# Altium PCB Pleiades_PP.PcbDoc (part 4 of 15) (continued)
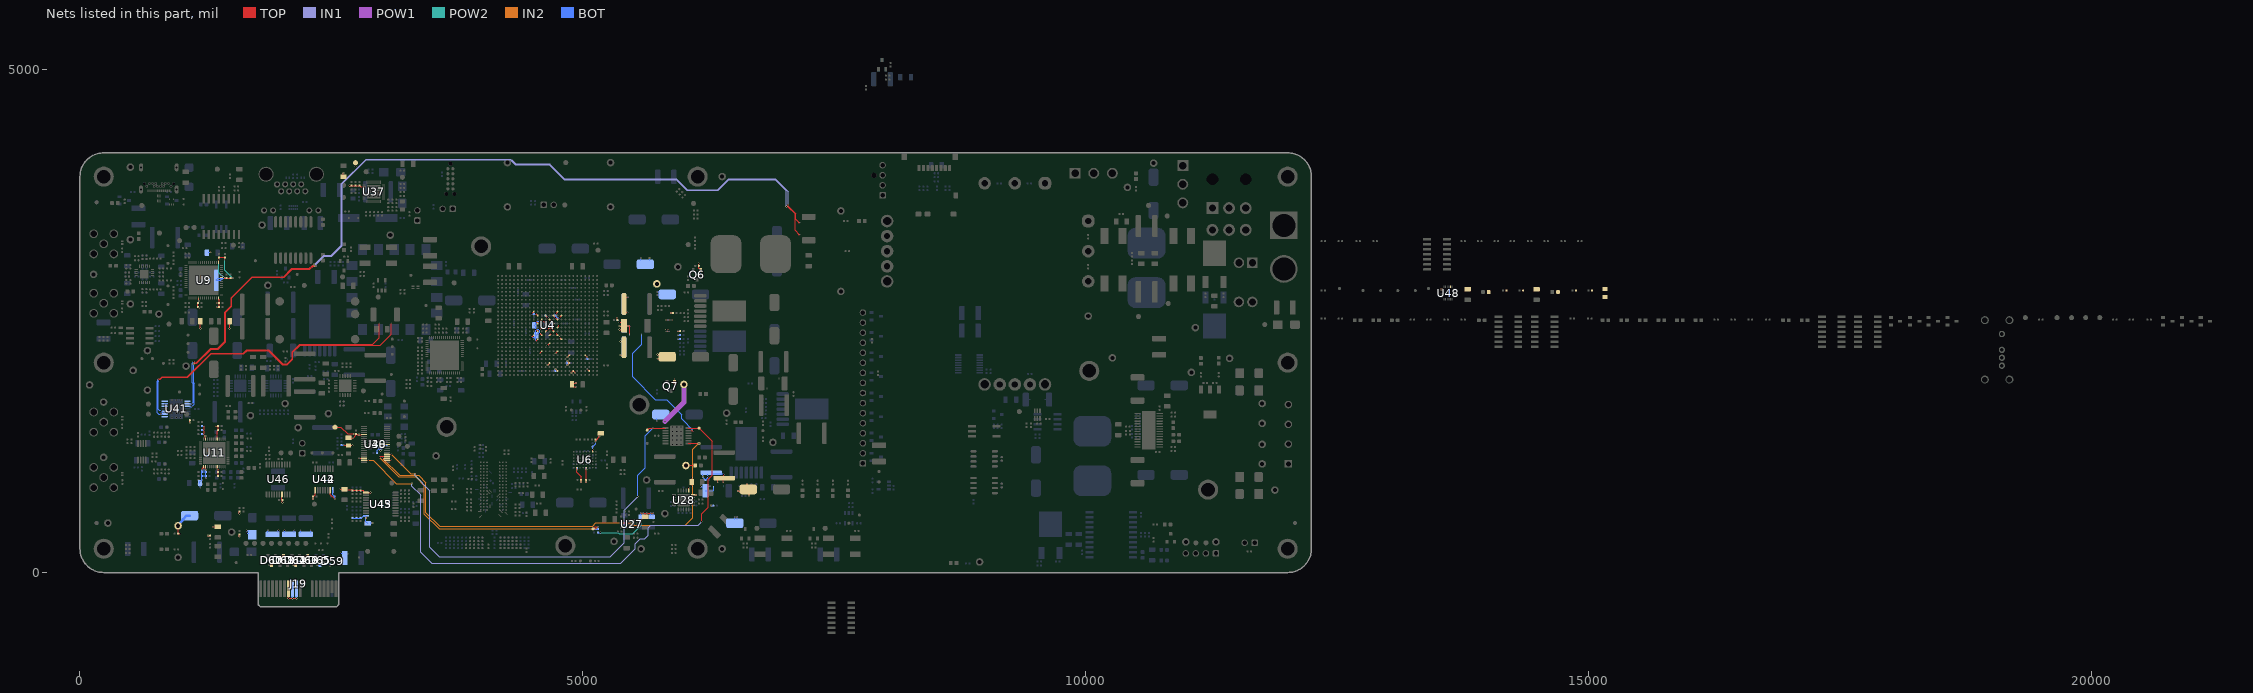
[diagram p14: the nets of this part, all layers, seen from the top]
## Part data (continued)
U1: library part IC_MT41K512M16HA-125, "DRAM 8G 1.35V 512Mx16 800 MHz DDR3 0C-90C", Maximum Clock Frequency=800MHz, Mfr="Alliance Memory", Operating Temperature="0C - 95C", Package / Case=FBGA-96, Supplier Part Number 1=913-41K512M16HA125A, Supply Current (Max)=88mA, Supply Voltage (Max)=1.45V, Supply Voltage (Min)=1.283V, ComponentLink1Description=Digikey, ComponentLink1URL=https://www.digikey.ca/en/products/detail/alliance-memory-inc/MT41K512M16HA-125:A/10821776, ComponentLink2Description=Datasheet, ComponentLink2URL=https://media.digikey.com/pdf/Data%20Sheets/Micron%20Technology%20Inc%20PDFs/MT41K_2G4,1G8,512M16_8Gb_DDR3L.pdf, Data Bus Width="16 bits", Digikey #=1450-MT41K512M16HA-125:A-ND, Memory Organization="512M x 16", Memory Size=8Gb, Supplier 1=Mouser, Type="SDRAM - DDR3L"
U2: "Real Time Clock (RTC) IC Clock/Calendar 64B I2C, 2-Wire Serial 8-SOIC (0.154\", 3.90mm Width)", Mfr=Microchip, Operating Temperature="-40C - 125C", Voltage - Battery="1.3V - 5.5V", Voltage - Suply="1.8V - 5.5V", Clock Speed=32.768kHz, ComponentLink1Description=Digikey, ComponentLink1URL=https://www.digikey.ca/en/products/detail/microchip-technology/MCP7940N-E-SN/3872278, ComponentLink2Description=Datasheet, ComponentLink2URL=https://ww1.microchip.com/downloads/aemDocuments/documents/MPD/ProductDocuments/DataSheets/MCP7940N-Battery-Backed-I2C-RTCC-with-SRAM-20005010J.pdf, ComponentLink3Description=Mfr, ComponentLink3URL=https://www.microchip.com/en-us/product/MCP7940N, ComponentLink4Description=Octopart, ComponentLink4URL=https://octopart.com/mcp7940n-e%2Fsn-microchip-24995176?r=sp, Qualification=AEC-Q100
U3: "WATCHDOG CIRCUIT / IC SUPERVISOR 1 CHANNEL SOT23-5", Mfr=ST, Supplier Part Number 1=511-STWD100PYW83F, ComponentLink1Description=Digikey, ComponentLink1URL=https://www.digikey.ca/en/products/detail/stmicroelectronics/STWD100PYW83F/3711383, ComponentLink2Description=Datasheet, ComponentLink2URL=https://www.st.com/content/ccc/resource/technical/document/datasheet/06/6a/b3/83/9a/c7/4f/22/CD00176077.pdf/files/CD00176077.pdf/jcr:content/translations/en.CD00176077.pdf, Qualification=AEC-Q100, Reset Timeout=1.6s, Supplier 1=Mouser
U4: library part FPGA_XC6SLX100-3FGG676C, "FPGA - XILINX SPARTAN 6 480 I/O - BGA-676", Package=BGA-676, Supplier Part Number 1=122-1760-ND, Temperature="0°C ~ 85°C (TJ)", Voltage="1.14 V ~ 1.26 V", CreatedBy="Jonathan Bouchard", HelpURL=https://www.xilinx.com/support/documentation/data_sheets/ds162.pdf, Mfg=Xilinx, Mfg Part Number=XC6SLX100-3FGG676C, Supplier 1=Digikey
U5: library part TIM_CDCE62005RGZT, "TIM - CLK SYNTH JITTER CLEANER 3:5 - QFN-48", Package=QFN-48, Supplier Part Number 1=296-23947-1-ND, Temperature="-40°C ~ 85°C", Voltage="3 V ~ 3.6 V", CreatedBy="Jonathan Bouchard", HelpURL=http://www.ti.com/lit/ds/symlink/cdce62005.pdf, Mfg="Texas Instruments", Mfg Part Number=CDCE62005RGZT, Supplier 1=Digikey
U6: "IC PROM SRL/PAR 1.8V 32M 48CSBGA", Mfr=Xilinx, Operating Temperature="-40C - 85C", Voltage - Suply="1.65V - 2V", ComponentLink1Description=Digikey, ComponentLink1URL=https://www.digikey.ca/en/products/detail/amd/XCF32PFSG48C/966638, ComponentLink2Description=Octopart, ComponentLink2URL=https://octopart.com/xcf32pfsg48c-xilinx-429660, Memory Size=32Mb, Part#=XCF32PFSG48C
U7: library part IRE-24/5-Q12P-C, "Isolated DC/DC Converters - Through Hole 9V-36VIN 24VOUT 120W", Current - Output=10A, Isolation Voltage=2.828kV, Mfr=Murata, Operating Temperature="-40C - 85C", Output Power=120W, Supplier Part Number 1=811-IRE-12/10-Q12P-C-ND, Switching Frequency=240kHz, Voltage - Input (Max)=36V, Voltage - Input (Min)=9V, Voltage - Output=12V, ComponentLink1Description=Mouser, ComponentLink1URL=https://www.mouser.ca/ProductDetail/Murata-Power-Solutions/IRE-12-10-Q12NF-C?qs=xZ%2FP%252Ba9zWqYdIxrb6V0e3g%3D%3D, ComponentLink2Description=Murata, ComponentLink2URL=https://www.murata.com/en-us/products/productdetail?partno=IRE-12%2F10-Q12P-C, ComponentLink3Description=Datasheet, ComponentLink3URL=https://www.murata.com/products/productdata/8807029112862/ire-q12.pdf?1655388012000, ComponentLink4Description=Octopart, ComponentLink4URL=https://octopart.com/ire-12%2F10-q12nf-c-murata+power+solutions-107236518?r=sp, ComponentLink5Description=Digikey, ComponentLink5URL=https://www.digikey.ca/en/products/detail/murata-power-solutions-inc/IRE-12-10-Q12P-C/11503740, Supplier 1=Digikey
U8: Supplier Part Number 1=863-NCV2931ADT5.0RKG, ComponentLink1Description=Digikey, ComponentLink1URL=https://www.digikey.com/en/products/detail/onsemi/NCV2931ADT5-0RKG/1961138, Supplier 1=Mouser
U9: library part ADC_ADS62P48IRGCT, "ADC - 14 BIT 210MSPS SUAL - VQFN-64", Package=VQFN-64, Supplier Part Number 1=296-24611-1-ND, Temperature="-40°C ~ 85°C", Voltage="3.15 V ~ 3.6 V / 1.7 V ~ 1.9 V", CreatedBy="Jonathan Bouchard", HelpURL=http://www.ti.com/lit/ds/symlink/ads62p48.pdf, Mfg="Texas Instruments", Mfg Part Number=ADS62P48IRGCT, Precision="14 Bit", Supplier 1=Digikey
U10: library part OPAMP_ADA4927-2YCPZ-R2, "OPAMP - CFA 2.3GHZ - QFN-24", Current=65mA, Package=QFN-24, Supplier Part Number 1=ADA4927-2YCPZ-R2CT-ND, Temperature="-40°C ~ 105°C", Voltage="4.5 V ~ 11 V, ±2.25 V ~ 5.5 V", CreatedBy="Jonathan Bouchard", HelpURL=http://www.analog.com/media/en/technical-documentation/data-sheets/ADA4927-1_4927-2.pdf, Mfg="Analog Devices", Mfg Part Number=ADA4927-2YCPZ-R2, Supplier 1=Digikey
U11: library part DAC_AD9146BCPZ, "DAC - 16BIT SRL HIGH SPEED - QFN-48", Package=QFN-48, Supplier Part Number 1=AD9146BCPZ-ND, Temperature="-40°C ~ 85°C", Voltage="3.13 V ~ 3.47 V / 1.71 V ~ 1.89 V", CreatedBy="Jonathan Bouchard", HelpURL=http://www.analog.com/media/en/technical-documentation/data-sheets/AD9146.PDF, Mfg="Analog Devices Inc.", Mfg Part Number=AD9146BCPZ, Precision="16 Bit", Supplier 1=Digikey
U12: library part OPAMP_AD8056ARMZ, "OPAMP - VFB 300MHZ - 8MSOP", Current=60mA, Package=MSOP-8, Supplier Part Number 1=AD8056ARMZ-REEL7CT-ND, Temperature="-40°C ~ 125°C", Voltage="8 V ~ 12 V, ±4 V ~ 6 V", CreatedBy="Jonathan Bouchard", HelpURL=http://www.analog.com/media/en/technical-documentation/data-sheets/AD8055_8056.pdf, Mfg="Analog Devices", Mfg Part Number=AD8056ARMZ, Supplier 1=Digikey
U13 U15 U16 U17: library part ISO_SI8620EB-B-IS, "ISO - Dual-Channel Digital Isolator (default HI) - 8-SOIC", Manufacturer #1="Silicon Labs", Package=8-SOIC, Supplier Part Number 1=SI8620EB-B-IS-ND, Temperature="-40°C ~ 125°C", Voltage Rating=2.5-5.5V, Assembly Type=SMD, CreatedBy/Date="Joel Lemay 2018-06-05", Cryo=UNKNOWN, GRAMS Lib Spec=2.8, HelpURL=https://www.silabs.com/documents/public/data-sheets/si861x-2x-datasheet.pdf, Magnetic Material=Unknown, Part Number #1=SI8620EB-B-IS, Polarized=Yes, Supplier 1=Digi-Key, VerifiedBy="Caroline Paulin - 12 sept 2018"
U14: library part POW_MOTOR_DRV8811PWPR, "POW - STEPPER MOTOR DRIVER - SOP-28", Package=SOP-28, Supplier Part Number 1=296-24591-1-ND, Temperature="-40°C ~ 150°C (TJ)", Voltage="3 V ~ 5.5 V / 8 V ~ 38 V", CreatedBy="Jonathan Bouchard", HelpURL=http://www.ti.com/lit/ds/symlink/drv8811.pdf, Mfg="Texas Instrument", Mfg Part Number=DRV8811PWPR, Supplier 1=Digikey
U18: "1/1 Transceiver, Isolated CANbus 20-SOIC", Mfr="Analog Devices", Operating Temperature="-40C - 105C", Supplier Part Number 1=584-ADM3057EBRWZ, Voltage - Supply="0.5V - 6V", ComponentLink1Description=Digikey, ComponentLink1URL=https://www.digikey.ca/en/products/detail/analog-devices-inc/ADM3057EBRWZ/9806175, ComponentLink2Description=Datasheet, ComponentLink2URL=https://www.analog.com/media/en/technical-documentation/data-sheets/ADM3055E-3057E.pdf, ComponentLink3Description="Analog Devices", ComponentLink3URL=https://www.analog.com/en/products/adm3057e.html, ComponentLink4Description=Octopart, ComponentLink4URL=https://octopart.com/adm3057ebrwz-analog+devices-96773388?r=sp, Data Rate=12Mbps, Isolation=5kV, Mode="Full Duplex", Number of Drivers=1/1, Protocol=CAN, Supplier 1=Mouser
U19 U20 U52 U53 U54 U55: library part 74LVC125AD,118, "Buffer, Non-Inverting 4 Element 1 Bit per Element 3-State Output 14-SO", Mfr=Nexperia, Operating Temperature="-40C - 125C", Voltage - Supply="1.2V - 3.6V", ComponentLink1Description=Digikey, ComponentLink1URL=https://www.digikey.ca/en/products/detail/nexperia-usa-inc/74LVC125AD-118/946677, ComponentLink2Description=Datasheet, ComponentLink2URL=https://assets.nexperia.com/documents/data-sheet/74LVC125A.pdf, ComponentLink3Description=Mfr, ComponentLink3URL=https://www.nexperia.com/products/analog-logic-ics/logic/buffers-inverters-transceivers/buffers/74LVC125AD.html, ComponentLink4Description=Octopart, ComponentLink4URL=https://octopart.com/74lvc125ad%2C118-nexperia-78737785?r=sp, Number of Elements=4, Output Type=3-state
U21 U26 U29 U30 U31: library part REG_SWR_LMZ23605TZE/NOPB, "REG - IC BUCK SYNC 36V 5A - TO-PMOD-7", Current Rating=5A, Manufacturer #1="Texas Instruments", Package=TO-PMOD-7, Supplier Part Number 1=296-35357-1-ND, Temperature="-40°C ~ 125°C", Voltage Rating="6 ~ 36 V", Assembly Type=SMD, CreatedBy/Date="Arnaud Samson - 05/07/18", Cryo=UNKNOWN, GRAMS Lib Spec=2.8, HelpURL=http://www.ti.com/lit/ds/symlink/lmz23605.pdf, Magnetic Material=YES, Note="One Reflow", Part Number #1=LMZ23605TZE/NOPB, Polarized=YES, Supplier 1=Digi-Key, VerifiedBy="Jonathan Bouchard 2018-07-13"
U22 U23 U28: library part REG_LDO_TPS7A4701RGWR, "REG - LINEAR POS ADJ 1A - 20VQFN", Current Rating=1A, Manufacturer #1="Texas Instruments", Manufacturer #2=TBD, Package="20-VQFN Exposed Pad", Supplier Part Number 1=296-37224-1-ND, Temperature="-40°C ~ 125°C", Tolerance=-, Voltage Rating="35V max", Assembly Type=SMD, CreatedBy/Date="L-P Gauthier / 2018-05-29", Cryo=UNKNOWN, GRAMS Lib Spec=2.8, HelpURL=http://www.ti.com/lit/ds/symlink/tps7a47.pdf, Magnetic Material=Unknown, Part Number #1=TPS7A4701RGWR, Part Number #2=TBD, Polarized=Yes, Supplier 1=Digi-Key, VerifiedBy="Caroline Paulin - 28 sept 2018"
U24: library part REG_SWR_PTN04050AAZT, "REG - SWR -15 ~ -3.3V 1A 6W - 5-SMD", Current Rating=1A, Manufacturer #1="Texas Instruments", Package=5-SMD, Power Max=6W, Supplier Part Number 1=296-32208-1-ND, Temperature="-40°C ~ 85°C", Voltage Rating=2.9V~7Vin, Assembly Type=5-SMD, CreatedBy/Date="Ihsane Najahi 2019-09-25", Cryo=UNKNOWN, GRAMS Lib Spec=2.8, HelpURL=http://www.ti.com/lit/ds/symlink/ptn04050a.pdf, Magnetic Material=Unknown, Part Number #1=PTN04050AAZT, Polarized=Yes, Supplier 1=Digi-Key, VerifiedBy="C.Paulin (9-10-2019)"
U25: library part REG_LDO_TPS7A3301RGWR, "REG - LDO Negative Adjustable 1 Output -1.18V-33V 1A -  20-VQFN (5x5)", Current Rating=1A, Manufacturer #1="Texas Instruments", Package=20-VQFN, Supplier Part Number 1=296-39502-1-ND, Temperature="-40°C ~ 125°C", Voltage Rating=-36V, Assembly Type=SMD, CreatedBy/Date="Keven Deslandes - 2018/10/11", Cryo=UNKNOWN, GRAMS Lib Spec=2.8, HelpURL=http://www.ti.com/lit/ds/symlink/tps7a33.pdf, Magnetic Material=Unknown, Part Number #1=TPS7A3301RGWR, Polarized=Yes, Supplier 1=Digi-Key, VerifiedBy="Caroline Paulin - 11/12/2018"
U27: library part REG_PMIC_TPS51200DRCT, "REG - DDR TERMINATION/REF REG - 10-VFDFN", Current Rating="Source: 3A~4.5A, Sink: 3.5A~5.5A", Manufacturer #1="Texas Instruments", Package=10-VFDFN, Supplier Part Number 1=296-23830-1-ND, Temperature="-40°C ~ 85°C", Voltage Rating="2.375V ~ 3.5V", Assembly Type=SMD, CreatedBy/Date="Joel Lemay 2019-03-19", Cryo=UNKNOWN, GRAMS Lib Spec=2.8, HelpURL=http://www.ti.com/lit/ds/symlink/tps51200.pdf, Magnetic Material=Unknown, Part Number #1=TPS51200DRCT, Polarized=Yes, Supplier 1=Digi-Key, VerifiedBy="Nicolas V. (2019-05-31)"
U32: library part ISO_ISO7741FDBQR, "ISO - Quad-Channel Digital Isolator 3/1 (Default Low)- 16-SSOP", Manufacturer #1="Texas Instruments", Package=16-SSOP, Supplier Part Number 1=296-48140-1-ND, Temperature="-55°C ~ 125°C", Voltage Rating=2.25-5.5V, Assembly Type=SMD, CreatedBy/Date="Louis-Daniel Gaulin / 11-03-2020", Cryo=UNKNOWN, GRAMS Lib Spec=2.8c, HelpURL=http://www.ti.com/lit/ds/symlink/iso7741.pdf, Magnetic Material=Unknown, Part Number #1=ISO7741FDBQR, Polarized=Yes, Supplier 1=Digi-Key, VerifiedBy="c.Paulin - 20/04/2020"
U33: Mfr="Texas Instruments", Operating Temperature="-30C - 85C", Voltage - Supply (Analog)="2.7V - 5.5V", Architecture=SAR, ComponentLink1Description=Digikey, ComponentLink1URL=https://www.digikey.ca/en/products/detail/texas-instruments/TLV1572ID/277528, ComponentLink2Description=Datasheet, ComponentLink2URL=https://www.ti.com/lit/ds/symlink/tlv1572.pdf?HQS=dis-dk-null-digikeymode-dsf-pf-null-wwe&ts=1706610861795&ref_url=https%253A%252F%252Fwww.ti.com%252Fgeneral%252Fdocs%252Fsuppproductinfo.tsp%253FdistId%253D10%2526gotoUrl%253Dhttps%253A%252F%252Fwww.ti.com%252Flit%252Fgpn%252Ftlv1572, ComponentLink3Description="Texas Instruments", ComponentLink3URL=https://www.ti.com/product/TLV1572, Number of Bits=10, Number of Inputs=1, Voltage - Supply (Digital)="2.7V - 5.5V"
U34: "Current Sense Amplifier 1 Circuit Single-Ended SC-70-6", Current - Input Bias=28µA, Mfr="Texas Instruments", Operating Temperature="-40C - 125C", Ratings=AEC-Q100, Voltage - Analog Input (Max)=26V, Voltage - Input Offset=1µV, Voltage - Supply (Min)=2.7V, ComponentLink1Description=Digikey, ComponentLink1URL=https://www.digikey.com/en/products/detail/texas-instruments/INA214AQDCKRQ1/2361055, ComponentLink2Description=Datasheet, ComponentLink2URL=https://www.ti.com/lit/ds/symlink/ina213-q1.pdf?HQS=dis-dk-null-digikeymode-dsf-pf-null-wwe&ts=1706525130563&ref_url=https%253A%252F%252Fwww.ti.com%252Fgeneral%252Fdocs%252Fsuppproductinfo.tsp%253FdistId%253D10%2526gotoUrl%253Dhttps%253A%252F%252Fwww.ti.com%252Flit%252Fgpn%252Fina213-q1, ComponentLink3Description=Octopart, ComponentLink3URL=https://octopart.com/ina214aqdckrq1-texas+instruments-18804705?r=sp, ComponentLink4Description="Texas Instruments", ComponentLink4URL=https://www.ti.com/product/INA214-Q1/part-details/INA214AQDCKRQ1, Gain=100V/V, Gain Bandwidth Product=30kHz, Supplier 1=Mouser, Voltage - Supply (Max)=26V
U35: library part NCV2931AST-5T3G, "5.0 V LDO", Current - Output (Max)=100mA, Current - Quiescent=1mA, Operating Temperature="-40C - 125C", Voltage - Input (Max)=26V, Voltage - Output=5V, ComponentLink1Description=Digikey, ComponentLink1URL=https://www.digikey.ca/en/products/detail/onsemi/NCV2931AST-5T3G/1483949, ComponentLink2Description=Datasheet, ComponentLink2URL=https://www.onsemi.com/pdf/datasheet/lm2931-d.pdf, Qualification=AEC-Q100
U36: "Isolated DC/DC Converters - Through Hole 9V-36VIN 24VOUT 120W", Current - Output=5A, Isolation Voltage=2.828kV, Mfr=Murata, Operating Temperature="-40C - 85C", Output Power=120W, Supplier Part Number 1=580-IRE-24/5-Q12P-C, Switching Frequency=240kHz, Voltage - Input (Max)=36V, Voltage - Input (Min)=9V, Voltage - Output=24V, ComponentLink1Description=Mouser, ComponentLink1URL=https://www.mouser.ca/ProductDetail/Murata-Power-Solutions/IRE-24-5-Q12P-C?qs=xZ%2FP%252Ba9zWqZkiEXUCSXVgg%3D%3D, ComponentLink2Description=Murata, ComponentLink2URL=https://www.murata.com/en-us/products/productdetail?partno=IRE-24%2F5-Q12P-C, ComponentLink3Description=Datasheet, ComponentLink3URL=https://www.murata.com/products/productdata/8807029112862/ire-q12.pdf?1655388012000, ComponentLink4Description=Octopart, ComponentLink4URL=https://octopart.com/ire-24%2F5-q12p-c-murata+power+solutions-107236523?r=sp, Supplier 1=Mouser
U37: library part COM_ETH_PHY_KSZ8091MNXCA, "COM - ETHERNET PHY 10/100 - QFN-32", Package=QFN-32, Supplier Part Number 1=576-4356-ND, Temperature="0°C ~ 70°C", Voltage="1.8V, 2.5V, 3.3V", CreatedBy="Jonathan Bouchard", HelpURL=http://ww1.microchip.com/downloads/en/DeviceDoc/00002275A.pdf, Mfg=Micrel, Mfg Part Number=KSZ8091MNXCA, Supplier 1=Digikey
U38: "General Purpose Amplifier 1 Circuit Rail-to-Rail SOT-23-5", Current - Input Bias=10pA, Current - Output=75mA, Mfr="Texas Instruments", Operating Temperature="-40C - 125C", Supplier Part Number 1=595-OPA991IDBVR, Voltage - Input Offset=125µV, Voltage - Supply (Max)=40V, Voltage - Supply (Min)=2.7V, ComponentLink1Description=Digikey, ComponentLink1URL=https://www.digikey.ca/en/products/detail/texas-instruments/OPA991IDBVR/13174045, ComponentLink2Description=Datasheet, ComponentLink2URL=https://www.ti.com/lit/ds/symlink/opa991.pdf, ComponentLink3Description="Texas Instruments", ComponentLink3URL=https://www.ti.com/product/OPA991/part-details/OPA991IDBVR, ComponentLink4Description=Octopart, ComponentLink4URL=https://octopart.com/search?q=OPA991IDBVR&autosugg_idx=0&currency=USD&specs=0, Output Type=Rail-to-Rail, Part#=OPA991IDBVR, Slew Rate=21V/µs, Supplier 1=Mouser
U39 U41: "Current Sense Amplifier 4 Circuit Differential, Rail-to-Rail 14-TSSOP", Current - Input Bias=-100nA, Current - Output / Channel=8mA, Mfr="Texas Instruments", Operating Temperature="-40C - 125C", Ratings=AEC-Q100, Supplier Part Number 1=595-INA4180A1QPWRQ1, Voltage - Analog Input (Max)=26V, Voltage - Input Offset=100uV, Voltage - Supply (Max)=5.5V, Voltage - Supply (Min)=2.7V, ComponentLink1Description=Digikey, ComponentLink1URL=https://www.digikey.com/en/products/detail/texas-instruments/INA4180A1QPWRQ1/9654220, ComponentLink2Description=Datasheet, ComponentLink2URL=https://www.ti.com/lit/ds/symlink/ina4180-q1.pdf, ComponentLink3Description=Octopart, ComponentLink3URL=https://octopart.com/ina4180a1qpwrq1-texas+instruments-94354202?r=sp, ComponentLink4Description="Texas Instruments", ComponentLink4URL=https://www.ti.com/product/INA4180-Q1/part-details/INA4180A1QPWRQ1, Gain=20V/V, Gain Bandwidth Product=350kHz, Supplier 1=Mouser
U40: "10 Bit Analog to Digital Converter 16 Input 1 SAR 38-TSSOP", Mfr="Texas Instruments", Operating Temperature="-40C - 125C", Supplier Part Number 1=595-ADS7957QDBTRQ1, Supply Voltage - Analog (Max)=5.25V, Supply Voltage - Analog (Min)=2.7V, Supply Voltage - Digital (Max)=5.25, Supply Voltage - Digital (Min)=1.7V, Architecture=SAR, ComponentLink1Description=Digikey, ComponentLink1URL=https://www.digikey.ca/en/products/detail/texas-instruments/ADS7957QDBTRQ1/4860369, ComponentLink2Description=Datasheet, ComponentLink2URL=https://www.ti.com/lit/ds/symlink/ads7957-q1.pdf, ComponentLink3Description="Texas Instruments", ComponentLink3URL=https://www.ti.com/product/ADS7957-Q1/part-details/ADS7957QDBTRQ1, ComponentLink4Description=Octopart, ComponentLink4URL=https://octopart.com/ads7957qdbtrq1-texas+instruments-43172431?r=sp, Input Type="Single Ended", Number of Bits=10, Number of Inputs=16, Part#=ADS7957QDBTRQ1, Qualification=AEC-Q100, Sampling Rate=1M, Supplier 1=Mouser
U42: library part ISO_ISO7741DBQR, "ISO - Quad-Channel Digital Isolator 3/1 (Default High)- 16-SSOP", Manufacturer #1="Texas Instruments", Package=16-SSOP, Supplier Part Number 1=296-47660-1-ND, Temperature="-55°C ~ 125°C", Voltage Rating=2.25-5.5V, Assembly Type=SMD, CreatedBy/Date="Louis-Daniel Gaulin / 11-03-2020", Cryo=UNKNOWN, GRAMS Lib Spec=2.8c, HelpURL=http://www.ti.com/lit/ds/symlink/iso7741.pdf, Magnetic Material=Unknown, Part Number #1=ISO7741DBQR, Polarized=Yes, Supplier 1=Digi-Key, VerifiedBy="C.Paulin - 20/04/2020"
U43 U45: Mfr="Analog Devices", Operating Temperature="-40C - 125C", Supplier Part Number 1=584-ADN4652BRSZ-RL7, Voltage - Isolation=3750Vrms, Voltage - Supply="2.375V - 2.625V", Channel Type=Unidirectional, ComponentLink1Description=Digikey, ComponentLink1URL=https://www.digikey.com/en/products/detail/analog-devices-inc/ADN4652BRSZ-RL7/6624085, ComponentLink2Description=Datasheet, ComponentLink2URL=https://www.analog.com/media/en/technical-documentation/data-sheets/ADN4650-4651-4652.pdf, ComponentLink3Description="Analog Devices", ComponentLink3URL=https://www.analog.com/en/products/adn4652.html?doc=ADN4650-4651-4652.pdf, ComponentLink4Description=Octopart, ComponentLink4URL=https://octopart.com/adn4652brsz-rl7-analog+devices-77756952?r=sp, Data Rate=600Mbps, Inputs - Side1 / Side2=1/1, Protocol=LVDS, Supplier 1=Mouser, Type="Magnetic Coupling"
U44: library part ISO_SI8640EB-B-IU, "ISO - Quad-Channel Digital Isolator (default HI) - 16-SSOP", Manufacturer #1="Silicon Labs", Package=16-SSOP, Supplier Part Number 1=336-4288-ND, Temperature="-40°C ~ 125°C", Voltage Rating=2.5-5.5V, Assembly Type=SMD, CreatedBy/Date="Joel Lemay 2018-06-05", Cryo=UNKNOWN, GRAMS Lib Spec=2.8, HelpURL=https://www.silabs.com/documents/public/data-sheets/si864x-datasheet.pdf, Magnetic Material=Unknown, Part Number #1=SI8640EB-B-IU, Polarized=Yes, Supplier 1=Digi-Key, VerifiedBy="Caroline Paulin - 12 sept 2018"
U46: "I2C Digital Isolator 2500Vrms 2 Channel 25kV/µs CMTI 20-SSOP (0.209\", 5.30mm Width)", Mfr="Analog Devices", Operating Temperature="-40C - 105C", Voltage - Isolation=2.5kV, Voltage - Supply="3V - 5.5V", Channel Type=Bidirectionnal, Type=I2C
U47 U49 U50: library part SENS_TEMP_TC74A0-3.3VCTTR, "SENS - TEMPERATURE SENSOR I2C/SMBUS - SOT23-5", Package=SOT23-5, Supplier Part Number 1=TC74A0-3.3VCTDKR-ND, Temperature="-40°C ~ 125°C", Voltage="2.7 V ~ 5.5 V", CreatedBy="Jonathan Bouchard", HelpURL=http://ww1.microchip.com/downloads/en/DeviceDoc/21462D.pdf, Mfg=Microchip, Mfg Part Number=TC74A0-3.3VCTTR, Precision="±2°C (±3°C)", Supplier 1=Digikey
U48: "Accelerometer, Gyroscope, Magnetometer, 9 Axis Sensor I2C, SPI Output", Mfr="TDK InvenSense", Operating Temperature="-40C - 85C", Supplier Part Number 1=410-ICM-20948, Supply Voltage - Core="1.8V - 3.3V", Supply Voltage - IO=1.8V, ComponentLink1Description=Digikey, ComponentLink1URL=https://www.digikey.ca/en/products/detail/tdk-invensense/icm-20948/6623535, ComponentLink2Description=Datasheet, ComponentLink2URL=https://invensense.tdk.com/wp-content/uploads/2016/06/DS-000189-ICM-20948-v1.3.pdf?ref_disty=digikey, ComponentLink3Description=Mfr, ComponentLink3URL=https://invensense.tdk.com/products/motion-tracking/9-axis/icm-20948/, ComponentLink4Description=Octopart, ComponentLink4URL=https://octopart.com/icm-20948-invensense-73011870?r=sp, Output Type="I2C, SPI", Supplier 1=Mouser
U51: "Silicon Serial Number SOT-23-3", Mfr="Analog Devices", Standyby Current="< 1µA", Serial Number=48-bits
X1: library part OSCILLATOR, "25 MHz ±30ppm Crystal 16pF 40 Ohms HC-49/US", Frequency=32.765kHz, Frequency Tolerance=20ppm, Load Capacitance=7pF, Operating Temperature="-40C - 125C", Rating=AEC-Q200, Supplier Part Number 1=94X0915, ComponentLink1Description=Digikey, ComponentLink1URL=https://www.digikey.ca/en/products/detail/ecs-inc/ECS-327-7-12QS-TR/6821607, ComponentLink2Description=Datasheet, ComponentLink2URL=https://ecsxtal.com/store/pdf/ECX-12Q.pdf, Type="Tuning Fork"
X2: library part OSCILLATOR, "25 MHz ±30ppm Crystal 16pF 40 Ohms HC-49/US", Frequency="25 MHz", Frequency Stability=50ppm, Frequency Tolerance=30ppm, Load Capacitance=16pF, Operating Temperature="-10C - 60C", Supplier Part Number 1=94X0915, ComponentLink1Description=Digikey, ComponentLink1URL=https://www.digikey.ca/en/products/detail/iqd-frequency-products/LFXTAL010595/8633762, ComponentLink2Description=Datasheet, ComponentLink2URL=https://www.iqdfrequencyproducts.com/products/datasheets/LFXTAL010595.pdf, ComponentLink3Description=Octopart, ComponentLink3URL=https://octopart.com/lfxtal010595-iqd+frequency+products-8426629, Supplier 1=Newark
Y1: library part OSC_590BD-BDG, "TIM - OSC PROG 125MHz ~ 214.999MHz LVDS 3.3V 7PPM EN/DS - 6-SMD", Current Rating="100 mA (supply)", Manufacturer #1="Silicon Labs", Package=6-SMD, Supplier Part Number 1=590BD-BDG-ND, Temperature="-40°C ~ 85°C", Voltage Rating="3.3V (supply)", Assembly Type=SMD, CreatedBy/Date="from 590BD-CDG", Cryo=UNKNOWN, GRAMS Lib Spec=2.8, HelpURL=https://www.silabs.com/documents/public/data-sheets/Si590-591.pdf, Magnetic Material=UNKNOWN, Note="Spécifié la fréquence lors de la commande", Part Number #1=590BD-BDG, Polarized=Yes, Supplier 1=Digi-Key, VerifiedBy="Caroline Paulin / 3/10/2019"

## Via types
v1: diameter 12/18/18/18/18/18/18/18/18/18/18/12 (per signal layer), hole 6, TOP to BOT, 2739 vias
v2: diameter 20, hole 10, TOP to BOT, 363 vias
v3: diameter 19.68, hole 7.87, TOP to BOT, 110 vias
v4: diameter 40, hole 20, TOP to BOT, 36 vias
v5: diameter 25, hole 12, TOP to BOT, 32 vias
v6: diameter 22, hole 12, TOP to BOT, 27 vias
v7: diameter 19.68, hole 11.81, TOP to BOT, 9 vias

## Nets (pads, with @x,y where several pads share a name; then routed paths per layer and width w, separated by ;. In a path a pad name is that pad's centre, name@x,y a point inside that pad or via, vN(x,y) a via of type N, cw(c..) or ccw(c..) an arc to the next point about the centre after c; other vN are vias at no path point)
+1V2D: C107.1 C108.1 C109.1 C110.1 C111.1 C112.1 C113.1 C461.1 C462.1 C463.1 C464.1 NT51.1 Q7.1 R243.1 R252.2 R253.2 R333.1 TP94.1 U4.K11 U4.K17 U4.L10 U4.L12 U4.L14 U4.L16 U4.M11 U4.M13 U4.M15 U4.N12 U4.N14 U4.N16 U4.P11 U4.P13 U4.P15 U4.R12 U4.R14 U4.R16 U4.T11 U4.T13 U4.T15 U4.T17 U4.U10 U4.U16 U40.17 | length 2150.9
  TOP w8.89: v1(4492.13,2338.58) U4.K11@4511.81,2358.27 ; v1(4492.13,2574.8) U4.K17@4511.81,2594.49 ; v1(4531.5,2299.21) U4.L10@4551.18,2318.9 ; v1(4531.5,2417.32) U4.L12@4551.18,2397.64 ; v1(4531.5,2496.06) U4.L14@4551.18,2476.38 ; v1(4531.5,2574.8) U4.L16@4551.18,2555.12 ; v1(4570.87,2377.95) U4.M11@4590.55,2358.27 ; v1(4570.87,2417.32) U4.M13@4590.55,2437.01 ; v1(4570.87,2496.06) U4.M15@4590.55,2515.75 ; v1(4609.64,2505) 4610.24,2504.41 4610.24,2496.06 U4.N14@4629.92,2476.38 ; U4.N12@4629.92,2397.64 v1(4649.61,2417.32) U4.P13@4669.29,2437.01 ; U4.N16@4629.92,2555.12 v1(4649.61,2535.43) ; U4.P11@4669.29,2358.27 v1(4688.98,2377.95) ; U4.P15@4669.29,2515.75 v1(4688.98,2496.06) ; U4.R12@4708.66,2397.64 U4.P13@4669.29,2437.01 ; U4.R14@4708.66,2476.38 v1(4688.98,2456.69) U4.P13@4669.29,2437.01 ; U4.R16@4708.66,2555.12 v1(4728.35,2535.43) U4.T15@4748.03,2515.75 ; v1(4728.35,2377.95) U4.T11@4748.03,2358.27 ; v1(4728.35,2574.8) U4.T17@4748.03,2594.49 ; U4.T13@4748.03,2437.01 v1(4767.72,2456.69) ; v1(4767.72,2338.58) U4.U10@4787.4,2318.9 ; v1(4767.72,2535.43) U4.U16@4787.4,2555.12
  TOP w10: v1(2773.5,1136.19) U40.17@2796,1136.19 ; Q7.1@5912,1902.5 v1(5912,1925) ; v1(5945,2400) R333.1@5967.5,2400
  POW1 w50: v1(5815.67,1502.5) 6005,1691.83 TP94.1@6005,1870
  BOT w5: R243.1@5410,2455 5460.79,2455 5466,2449.79 NT51.1@5466,2370.54
  BOT w8.89: v1(4492.13,2338.58) 4520.08,2338.58 C109.1@4531.5,2350 ; v1(4492.13,2574.8) 4492.72,2574.21 C113.1@4510.22,2574.21 ; C113.1@4511.81,2572.62 C113.1@4510.22,2574.21 ; v1(4531.5,2299.21) C109.1@4531.5,2350 ; v1(4531.5,2574.8) 4530.9,2574.21 C113.1@4510.22,2574.21 ; v1(4570.87,2496.06) v1(4531.5,2496.06) 4530.9,2495.47 4530.9,2469.73 C108.1@4517.87,2456.69 4530.9,2443.66 4530.9,2417.92 v1(4531.5,2417.32) ; C112.1@4627.5,2555.12 4646.59,2536.03 4649.01,2536.03 v1(4649.61,2535.43) ; v1(4688.98,2456.69) 4689.57,2457.29 C110.1@4689.57,2477.97 ; v1(4688.98,2496.06) 4689.57,2495.47 C110.1@4689.57,2477.97 ; C110.1@4691.16,2476.38 C110.1@4689.57,2477.97 ; v1(4728.35,2535.43) 4727.75,2536.03 C111.1@4727.75,2553.53 ; v1(4728.35,2574.8) 4727.75,2574.21 4727.75,2556.71 C111.1@4726.16,2555.12 C111.1@4727.75,2553.53 ; v1(4767.72,2535.43) 4745.85,2535.43 C111.1@4727.75,2553.53 ; C109.1@4531.5,2350 4531.5,2352.21 C109.1@4537.55,2358.27 ; C109.1@4531.5,2350 4537.55,2356.06 C109.1@4537.55,2358.27 ; v1(4531.5,2417.32) v1(4570.87,2417.32) v1(4570.87,2377.95) 4555.03,2377.95 4537.55,2360.48 C109.1@4537.55,2358.27 ; v1(4531.5,2417.32) 4531.5,2364.32 C109.1@4537.55,2358.27
  BOT w10: v1(5735,1505.44) C107.1@5735,1527.94 ; v1(5737.5,2760) C461.1@5760,2760 ; v1(5737.5,2790) C461.1@5760,2790 ; v1(5815.67,1502.5) C107.1@5815.67,1525 ; v1(5945,2320) R253.2@5967.5,2320 ; v1(5945,2360) R252.2@5967.5,2360
  other v1: 5830,2400 5845,2400 5860,2400 5830,2415 5845.75,2414.95 4688.98,2417.32 5830,2510 5845,2510 5860,2510 5875,2510 5890,2510
+1V2D_CURR_25: TP135.1 U40.18 U41.14 | length 5510.5
  TOP w5: TP135.1@6154.11,1435.89 TP135.1@6155,1435 6285,1305 6285,965 6245,925 6245,650 6180,585 v1(6180,505)
  TOP w10: U40.18@2822.28,1116.5 v1(2866.37,1116.5) ; 6049.17,1436.77 6050.06,1435.89 TP135.1@6154.11,1435.89
  IN1 w5: v1(3300,885) 3300,860 3382.5,777.5 3390,770 3390,200 3500,90 5375,90 5520.12,235.12 5520.12,285.12 5569.27,334.27 5614.27,334.27 5648.39,368.39 5648.39,443.39 5675,470 6145,470 v1(6180,505)
  IN2 w5: v1(2866.37,1116.5) 2913.5,1116.5 3145,885 v1(3300,885)
+1V2D_ETH: C523.1 C524.1 C525.1 C526.1 TP117.1 U37.2 | length 223.1
  TOP w10: C523.1@2620,3937 v1(2620,3972) ; v1(2677.5,3847.5) C524.1@2700,3847.5 C525.1@2740,3847.5 C526.1@2780,3847.5 2793.44,3834.06 U37.2@2825,3834.06 ; v1(2740,4040) TP117.1@2740,4075
+1V2D_SHUNT_19_+: NT51.2 U41.12
+1V2D_SHUNT_19_-: NT50.2 U41.13 | length 1332.9
  TOP w10: 6077.31,1411.18 v1(6099.81,1411.18)
  BOT w5: NT50.2@5586,2366.04 5586,2269.77 5495,2178.77 5495,1945 5720,1720 5835,1720 5984.12,1570.88 5984.12,1526.87 v1(6099.81,1411.18)
+1V8_IMU: C607.1 C608.1 C609.1 C610.1 FB9.2 U48.8 U48.13
+1V8D: C138.1 C139.1 C140.1 C141.1 C142.1 C211.1 C212.1 C213.1 C214.1 C215.1 C216.1 C217.1 C270.1 C271.1 C272.1 C273.1 C274.1 C275.1 C276.1 C277.1 C278.1 C279.1 C280.1 C281.1 C323.1 C324.1 C325.1 C326.1 C327.1 C328.1 C329.1 C330.1 C331.1 C332.1 C333.1 C334.1 C472.1 C473.1 C474.1 C475.1 C603.1 C604.1 C605.1 C606.1 FB9.1 NT49.1 Q6.1 R132.1 R242.1 R250.1 R328.1 TP96.1 U4.AC6 U4.AD2 U4.M7 U4.P4 U4.P9 U4.T2 U4.T7 U4.W4 U4.W6 U4.Y2 U6.B1 U6.E1 U6.G6 U9.1 U9.38 U9.48 U9.58 U11.1 U11.2 U11.8 U11.29 U11.35 U40.21 | length 3803.8
  TOP w5: R242.1@5410,2455 5460.79,2455 5466,2449.79 NT49.1@5466,2370.54
  TOP w5.95: v1(4940.51,1021.23) U6.B1@4940.51,1043.5 ; v1(5035,1021.23) U6.E1@5035,1043.5 ; U6.G6@5097.99,1200.98 v1(5097.99,1223.26)
  TOP w8.89: v1(4570.87,2181.1) U4.M7@4590.55,2200.79 ; v1(4649.61,2062.99) U4.P4@4669.29,2082.68 ; v1(4649.61,2259.84) U4.P9@4669.29,2279.53 ; v1(4728.35,2023.62) U4.T2@4748.03,2003.94 ; v1(4728.35,2181.1) U4.T7@4748.03,2200.79 ; v1(4846.46,2062.99) U4.W4@4866.14,2082.68 v1(4846.46,2102.36) ; v1(4846.46,2141.73) U4.W6@4866.14,2161.42 ; v1(4885.83,1984.25) U4.Y2@4905.51,2003.94 v1(4925.2,1984.25) ; U4.AC6@5023.62,2161.42 v1(5043.31,2141.73) ; v1(5043.31,2023.62) U4.AD2@5062.99,2003.94
  TOP w10: v1(1092.5,1492.5) R132.1@1092.5,1515 ; U9.38@1180.79,2728.82 1180.79,2688.29 C281.1@1172.5,2680 C277.1@1172.5,2640 v1(1184.87,2627.63) ; v1(1197,2427.5) C273.1@1197,2500 ; v1(1212.5,1022.5) 1212.88,1022.88 1212.88,1027.84 1226.73,1041.69 U11.1@1226.73,1053.19 ; v1(1235,1455) v1(1235,1415) v1(1235,1375) 1235,1369.46 1246.42,1358.04 v1(1246.42,1357.5) U11.35@1246.42,1335 ; U11.2@1246.42,1053.19 1246.61,1052.99 1246.61,1028.93 1252.5,1023.04 v1(1252.5,1022.5) ; v1(1350,1455) C325.1@1372.5,1455 C330.1@1372.5,1415 1364.53,1407.03 U11.29@1364.53,1326.81 ; v1(1360,2640) C276.1@1382.5,2640 C280.1@1382.5,2680 ; v1(1360,2680) C280.1@1382.5,2680 ; U11.8@1364.53,1053.19 v1(1364.53,1030.69) 1364.53,1030.15 1372.5,1022.18 C332.1@1372.5,1000 C327.1@1372.5,960 ; U9.48@1377.64,2728.82 1377.64,2718.54 1382.5,2713.68 C280.1@1382.5,2680 ; U9.1@1377.64,3081.18 1377.64,3107.1 1380,3109.46 v1(1380,3110) C279.1@1380,3132.5 C275.1@1440,3132.5 v1(1440,3110) ; U9.58@1406.18,2934.53 v1(1428.68,2934.53) 1429.22,2934.53 1436.25,2927.5 C278.1@1455,2927.5 C274.1@1495,2927.5 v1(1517.5,2927.5) ; v1(1488,2427.5) C272.1@1488,2500 ; U40.21@3050.63,1116.5 v1(3094.72,1116.5) ; C139.1@4907.88,1847.89 v1(4930.38,1847.89) ; C139.1@4909.02,1883.25 v1(4931.52,1883.25) ; v1(4940.51,1021.23) 4940.51,994.59 4981.75,953.35 C214.1@4981.75,922.24 v1(4981.75,899.74) ; v1(5032.5,899.72) C213.1@5032.5,922.22 5032.5,1018.19 5035,1020.69 v1(5035,1021.23) ; C212.1@5126.75,1322.24 5126.75,1311.28 v1(5126.75,1299.74) 5127.13,1300.13 5127.13,1311.28 5132.42,1316.57 v1(5165.12,1349.26) C211.1@5165.12,1371.76 ; C475.1@5342.5,2510 v1(5342.5,2532.5) ; v1(5362.74,2488) R242.1@5385.24,2488 ; v1(5364.51,2415.14) R242.1@5387.01,2415.14 ; v1(5364.51,2450) R242.1@5387.01,2450 ; v1(5374.51,2161.42) C474.1@5397.01,2161.42 ; v1(5374.51,2298.54) C474.1@5397.01,2298.54 ; C473.1@5423.9,2587.5 v1(5446.4,2587.5) ; C473.1@5425,2737.5 v1(5447.5,2737.5) ; v1(5742.5,2125) C472.1@5765,2125 ; v1(5742.5,2167.5) C472.1@5765,2167.5 ; v1(5875,2580) R250.1@5897.5,2580 ; v1(6152.5,3072.5) R328.1@6152.5,3050 6152.5,3026.86 6158.36,3021 6163,3021 6172,3012 Q6.1@6172,3006
  POW2 w10: v1(1380,3110) 1380,2983.09 1428.57,2934.53 v1(1428.68,2934.53) ; v1(1440,3110) 1440,3005 v1(1517.5,2927.5)
  BOT w5.95: v1(4940.51,1021.23) 4941.13,1021.85 4941.13,1036.62 C217.1@4941.75,1037.24 ; C216.1@5033.56,1037.24 5034.28,1036.52 5034.28,1021.95 v1(5035,1021.23) ; v1(5097.99,1223.26) C215.1@5097.99,1252.09
  BOT w8.89: C140.1@4726.16,2003.94 4727.75,2005.53 4727.75,2023.03 v1(4728.35,2023.62) ; v1(4846.46,2062.99) v1(4846.46,2102.36) ; v1(5043.31,2141.73) 5043.9,2141.14 5043.9,2123.64 C141.1@5045.49,2122.05
  BOT w10: C323.1@1193,890 1193,900.27 1212.5,919.77 C329.1@1212.5,960 ; v1(1195,842.5) C323.1@1195,865 ; C331.1@1212.5,1375 v1(1235,1375) ; C326.1@1212.5,1415 v1(1235,1415) ; C324.1@1212.5,1455 v1(1235,1455) ; v1(1252.5,937.5) C328.1@1252.5,960 ; C271.1@1275,3185 v1(1297.5,3185) ; v1@1379.62,3110.38 v1(1380,3110) ; v1(1428.68,2934.53) 1421.65,2927.5 ; v1(1517.5,2927.5) 1421.65,2927.5 ; C215.1@5097.99,1252.09 5126.37,1280.47 5126.37,1299.36 v1(5126.75,1299.74) ; C138.1@5575,3105 v1(5575,3127.5) ; C138.1@5663,3105 v1(5663,3127.5) ; C329.1@1212.5,960 C328.1@1252.5,960 ; C329.1@1212.5,960 C334.1@1212.5,1000 ; C334.1@1212.5,1000 C333.1@1252.5,1000 ; C334.1@1212.5,1000 v1(1212.5,1022.5) v1(1252.5,1022.5) C333.1@1252.5,1000 ; C328.1@1252.5,960 C333.1@1252.5,1000 ; 1421.65,2927.5 1399.15,2905 C270.1@1357,2905 1357,2910.48 1374.02,2927.5 1421.65,2927.5
  other v1: 1180,2700
+1V8D_CURR_25: TP132.1 U40.22 U41.8 | length 4512.8
  TOP w10: v1(3006.54,1136.19) U40.22@3050.63,1136.19 ; 6049.17,1283.23 6050.06,1284.11 6154.11,1284.11 v1(6155,1285)
  IN2 w5: v1(3006.54,1136.19) 3177.73,965 3366.26,965 3440,891.26 3440,595 3575,460 5097.21,460 5130.42,493.21 5467.63,493.21 5492.51,468.33 6018.33,468.33 6093.5,543.5 6093.5,1223.5 v1@6154.56,1284.56
+1V8D_SHUNT_19_+: NT49.2 U41.10 | length 3102
  TOP w5: v1(790,1910) 820,1940 1072.07,1940 1306.57,2174.5 1628.74,2174.5 1661.24,2207 1871.69,2207 2011.69,2067 2062,2067 2117.46,2122.46 2117.46,2189.57 2187.89,2260 2985,2260 3095,2370 3095,2471.54
  BOT w5: v1(790,1910) 778,1898 778,1620.99 787.83,1611.17 791.33,1611.17 v1(802.5,1600)
  BOT w10: v1(802.5,1600) U41.10@825,1600
+1V8D_SHUNT_19_-: NT48.2 U41.9 | length 3062.5
  TOP w5: v1(773.03,1926.97) 795.66,1926.97 816.69,1948 1068.76,1948 1303.26,2182.5 1625.43,2182.5 1657.93,2215 1875,2215 2015,2075 2058.69,2075 2109.46,2125.77 2109.46,2192.88 2186.58,2270 2910,2270 2975,2335 2975,2471.54
  BOT w5: v1(773.03,1926.97) 773.03,1904.34 770,1901.31 770,1589.49 784.49,1575 v1(802.5,1575)
  BOT w10: v1(802.5,1575) U41.9@825,1575
+2V5_VOLT_25: R330.2 R332.2 TP133.1 U40.23 | length 2839.3
  TOP w10: v1(2980.03,1144.97) 2980.57,1144.97 2991.48,1155.87 U40.23@3050.63,1155.87 ; TP133.1@5100,435 5103.19,435 5123.19,455 v1(5150,455)
  IN2 w5: v1(2980.03,1144.97) 2980.03,1141.45 2989.04,1132.44 2989.04,1128.94 3167.98,950 3340,950 3425,865 3425,580 3570,435 5130,435 v1(5150,455)
  BOT w5.95: R332.2@5110,432.5 R330.2@5150,432.5
  BOT w10: R330.2@5150,432.5 v1(5150,455)
+2V5D: C436.1 C437.1 C438.1 C439.1 C440.1 C443.1 C444.1 C445.1 C455.1 NT45.1 R221.1 R224.1 R329.1 R330.1 TP89.1 U27.10 U28.15 U28.16 | length 1784.3
  TOP w10: U27.10@5540.24,520.14 v1(5562.74,520.14) 5563.12,520.52 5576.87,520.52 5610.12,553.77 C445.1@5620.12,553.77 ; v1(5575.12,591.27) v1(5600,591.27) v1(5635,591.27) ; C445.1@5635,568.77 v1(5635,591.27) ; v1(5700.12,591.27) v1(5675,591.27) v1(5635,591.27) ; TP89.1@6024.8,1064 6025.3,1064.5 6115.96,1064.5 R329.1@6116.46,1065 ; U28.16@6052.36,825.81 v1(6052.36,848.31) ; v1(6082,857.5) C455.1@6082,880 ; C455.1@6082,920.14 v1(6082,942.64) ; U28.15@6102.63,771.83 v1(6125.13,771.83) ; v1(6341.73,898.31) C438.1@6341.73,920.81 ; v1(6395,898.31) C438.1@6395,920.81 ; C438.1@6400.21,954.74 v1(6400.21,977.24) ; v1(6542.5,809.07) C437.1@6565,809.07 ; C437.1@6632.5,860.81 v1(6632.5,883.31) ; v1(6652,765.14) C437.1@6652,787.64
  POW2 w10: v1(5172.5,397.5) 5353.19,397.5 5363.01,387.68 5497.51,387.68 5578.62,468.79 5578.62,504.26 v1(5562.74,520.14)
  BOT w5: R221.1@6219,814.27 6294.27,814.27 6300,820 NT45.1@6300,845
  BOT w10: R330.1@5150,397.5 v1(5172.5,397.5) ; C443.1@5575.12,568.77 v1(5575.12,591.27) v1(5600,591.27) ; C443.1@5600,568.77 v1(5600,591.27) ; C444.1@5675,568.77 v1(5675,591.27) ; C444.1@5700.12,568.77 v1(5700.12,591.27) v1(5675,591.27) ; v1(6171.5,855.14) R221.1@6194,855.14 ; C439.1@6193.5,977.24 v1(6193.5,954.74) 6193.88,954.36 6193.88,945.39 6213.46,925.81 6215,925.81 C440.1@6220,920.81 6241.35,942.16 6241.35,954.36 v1(6241.73,954.74) C439.1@6241.73,977.24 ; R221.1@6241.73,857.5 v1(6264.23,857.5) ; v1(6274.94,665.14) R224.1@6297.44,665.14 ; C439.1@6275,993.81 6288.64,980.17 6396.74,980.17 6399.67,977.24 v1(6400.21,977.24) ; C436.1@6510,530 v1(6510,552.5) ; C436.1@6535,530 v1(6535,552.5) ; v1(5600,591.27) v1(5635,591.27) v1(5675,591.27)
+2V5D_CURR_25: TP134.1 U40.24 U41.1 | length 4632
  TOP w10: U40.24@3050.63,1175.56 v1(3094.72,1175.56) ; TP134.1@5640,1415 5661.77,1436.77 5820.83,1436.77
  IN1 w5: v1(3330,980) 3330,965 3480,815 3480,248.99 3573.99,155 5270,155 5410.5,295.5 5410.5,616.74 5540.21,746.45 5540.21,746.7 5545,751.48 v1(5545,755)
  IN2 w5: v1(3094.72,1175.56) 3290.28,980 v1(3330,980)
  BOT w5: v1(5545,755) 5545,965 5621.21,1041.21 5621.21,1359.6 v1(5698.76,1437.15)
+2V5D_SHUNT_19_+: NT45.2 U41.3 | length 8491.6
  TOP w5: v1(1130,2072) 1130,2073.89 1135,2078.89 1135,2080 1161.31,2080 1303.31,2222 1373.31,2222 1448,2296.69 1448,2586.69 1510,2648.69 1510,2730.76 1714.24,2935 2030,2935 2110,3015 2285,3015 2317.22,3047.22 v1(2342.78,3047.22) ; v1(7024.72,3639.72) 7026.06,3641.06 7031.06,3641.06 7032.88,3642.88 7110,3565.76 7110,3401.54 7149.04,3362.5 7149.04,3360 7151.54,3360
  IN1 w5: v1(2342.78,3047.22) 2342.12,3047.87 2342.12,3057.88 2429.24,3145 2501.31,3145 2607.5,3251.19 2607.5,3863.26 2847.74,4103.5 4279.43,4103.5 4327.93,4055 4665,4055 4813,3907 5926.69,3907 6033.69,3800 6345,3800 6452,3907 6911.69,3907 7024.19,3794.49 7024.19,3640.25 v1(7024.72,3639.72)
  BOT w5: v1(1112.5,1650) 1135,1672.5 1135,1880.39 1130,1885.39 v1(1130,2072)
  BOT w10: U41.3@1090,1650 v1(1112.5,1650)
+2V5D_SHUNT_19_-: NT44.2 U41.2 | length 8367.6
  TOP w5: v1(1130,2096) 1130,2094.11 1135,2089.11 1135,2088 1158,2088 1300,2230 1370,2230 1440,2300 1440,2590 1502,2652 1502,2734.07 1710.93,2943 2026.69,2943 2106.69,3023 2281.69,3023 2313.9,3055.22 2316.82,3055.22 v1(2325.8,3064.2) ; v1(7041.69,3656.69) 7040.35,3655.35 7040.35,3650.35 7038.54,3648.54 7118,3569.07 7118,3513.54 7149.04,3482.5 7149.04,3480 7151.54,3480
  IN1 w5: v1(2325.8,3064.2) 2326.46,3063.54 2336.46,3063.54 2425.93,3153 2498,3153 2599.5,3254.5 2599.5,3866.57 2844.43,4111.5 4282.74,4111.5 4292.12,4102.12 4331.24,4063 4668.31,4063 4670.66,4060.66 4816.31,3915 5930,3915 6037,3808 6341.69,3808 6448.69,3915 6915,3915 7041.69,3788.31 v1(7041.69,3656.69)
  BOT w5: v1(1112.5,1680) 1127,1694.5 1127,1877.08 1115.5,1888.58 1115.5,2081.5 v1(1130,2096)
  BOT w10: U41.2@1090,1680 v1(1112.5,1680)
+3V3_PCI: C539.1 C540.1 C544.1 C545.2 C548.2 C560.1 C561.1 C562.1 C563.1 C571.2 C572.1 C573.1 C574.1 C575.1 C594.1 C595.1 C596.1 C597.1 C602.2 D54.1 D59.1 D60.3 D61.3 D62.3 D63.3 D64.3 D65.3 D66.3 D67.3 D68.3 J19.A9 J19.A10 J19.B8 R337.1 R341.1 TP151.1 U42.1 U42.7 U43.1 U44.1 U45.1 U46.17 | length 1858.4
  TOP w10: TP151.1@975,465 R337.1@975,386 v1(997.5,386) ; v1(1272.5,367.5) C562.1@1295,367.5 ; v1(1322.34,455) C561.1@1344.84,455 ; v1(1585,355) C563.1@1585,377.5 ; v1(1585,585) R341.1@1585,607.5 ; v1(1882.5,74) D67.3@1905,74 ; v1(2002.5,166) D68.3@2025,166 ; v1(2012.5,697.5) C544.1@2012.5,720 ; J19.B8@2071.28,-235 v1(2071.28,-257.5) v1(2112.2,-257.5) v1(2151.57,-257.5) ; v1(2122.5,74) D64.3@2145,74 ; v1(2242.5,166) D66.3@2265,166 ; v1(2317.5,732.5) C539.1@2317.5,755 ; v1(2582.5,828) C572.1@2605,828 ; U43.1@2867.5,795.16 v1(2890,795.16)
  TOP w12: U46.17@2008.39,777.36 2008.39,724.11 C544.1@2012.5,720 ; C539.1@2317.5,755 2337.5,775 U42.1@2337.5,818.7 ; U42.7@2487.5,818.7 2489.57,816.63 2489.57,775.43 v1(2532.5,732.5) ; C572.1@2630,828 2636.5,821.5 2706,821.5 C573.1@2710,817.5 C574.1@2750,817.5 C575.1@2790,817.5 2814.7,817.5 2821.73,810.47 2821.73,797.16 2823.73,795.16 U43.1@2842.36,795.16
  BOT w10: v1(1657.5,391) D54.1@1680,391 ; v1(1657.5,417.02) D54.1@1680,417.02 ; C571.2@1868,398.2 v1(1868,420.7) ; v1(1882.5,74) D60.3@1905,74 ; C571.2@1972.5,398.2 v1(1972.5,420.7) ; v1(2002.5,166) D61.3@2025,166 ; C548.2@2033.46,398.2 v1(2033.46,420.7) ; v1(2112.2,-257.5) J19.A9@2112.2,-235 ; v1(2122.5,74) D62.3@2145,74 ; C548.2@2130.5,398.2 v1(2130.5,420.7) ; v1(2151.57,-257.5) J19.A10@2151.57,-235 ; C602.2@2195.5,398.2 v1(2195.5,420.7) ; v1(2242.5,166) D63.3@2265,166 ; C602.2@2295,398.2 v1(2295,420.7) ; v1(2362.5,74) D65.3@2385,74 ; v1(2486.85,68.13) D59.1@2486.85,90.63 ; v1(2532.5,732.5) C540.1@2532.5,755 ; v1(2587.5,90.63) C545.2@2610,90.63 ; v1(2587.5,191) C545.2@2610,191 ; U45.1@2842.36,564.84 v1(2842.36,542.34) 2842.36,504.96 2859.32,488 C594.1@2860,488 ; C594.1@2885.46,492.5 v1(2907.96,492.5)
  BOT w12: U44.1@2512.5,818.7 2512.5,775 C540.1@2532.5,755 ; C595.1@2710,541.1 C596.1@2750,541.1 C597.1@2790,541.1 2796.62,541.1 2820.36,564.84 U45.1@2842.36,564.84
  BOT w25: TP151.1@975,465 975,474.35 1023.36,522.71 1023.36,529.21 1059.15,565 C560.1@1090,565
+3V3_SENSE: C527.1 C532.1 C535.1 C536.1 FB8.2 R309.1 TP121.1 U38.5 U40.5 U40.29 | length 710.8
  TOP w10: TP121.1@2535,1445 2595,1445 2662.5,1377.5 v1(2722.5,1377.5) C536.1@2745,1377.5 ; v1(2622.5,1267.5) 2667.5,1267.5 FB8.2@2670,1265 ; FB8.2@2687.7,1265 v1(2710.2,1265) ; C535.1@2694.02,1337 v1(2716.52,1337) 2743.5,1363.98 2743.5,1376 C536.1@2745,1377.5 ; U40.5@2797.78,1372.28 v1(2775.28,1372.28) 2755.86,1372.28 2755.64,1372.5 2750,1372.5 C536.1@2745,1377.5 ; v1(3001.56,1267.5) 3001.86,1267.5 3008.34,1273.98 U40.29@3050.63,1273.98
  BOT w10: R309.1@2600,1267.5 v1(2622.5,1267.5) ; C527.1@2952.5,1190 2957.47,1194.97 2957.47,1215 2979.46,1236.98 U38.5@2987.46,1236.98 ; v1(2987.46,1214.48) U38.5@2987.46,1236.98 ; v1(3001.56,1267.5) 3001.56,1243.98 U38.5@2994.56,1236.98 ; C532.1@3050,1267.5 3025,1267.5 3016.6,1259.1 3016.6,1258.12 2995.46,1236.98 U38.5@2994.56,1236.98 ; U38.5@2987.46,1236.98 U38.5@2994.56,1236.98